# Altium PCB board.PcbDoc (part 1 of 2)
Units mil, origin at the board's own origin, x right, y up, seen from the top; angles counter-clockwise.
Board outline 7874.76 x 4803.15 mil, 2 copper layers (Top Layer, Bottom Layer); 212 components, 159 nets, 580 pads, 46 vias.
Unrouted connection lines stored in the file: 2.
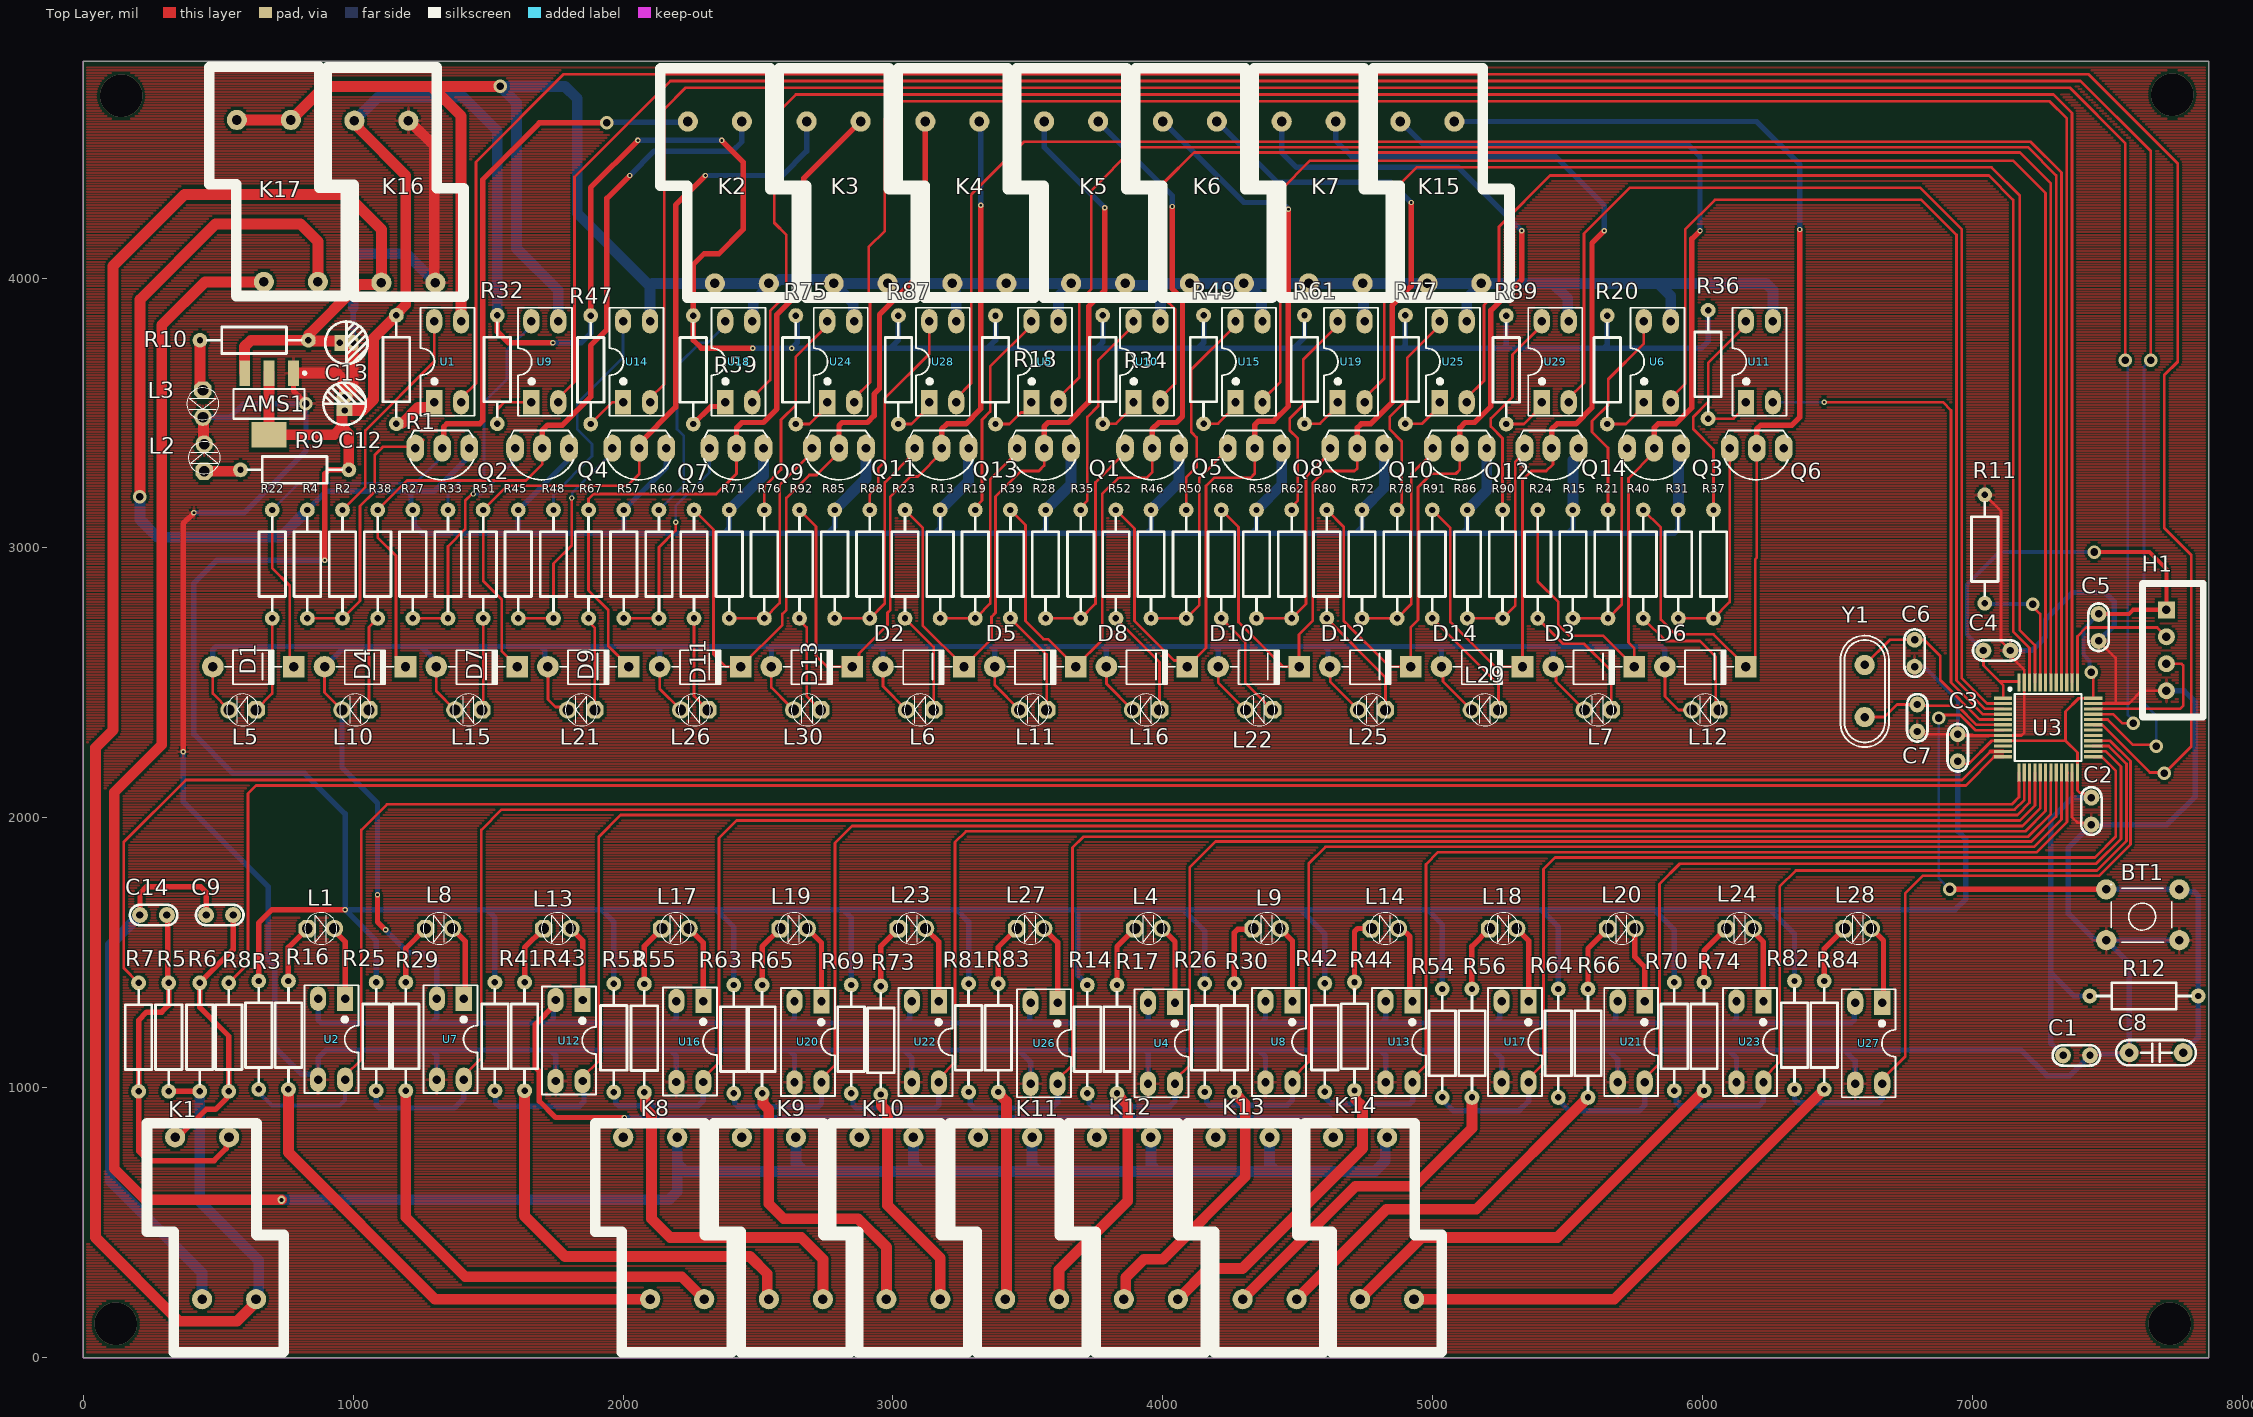
[diagram p0: Top Layer view]
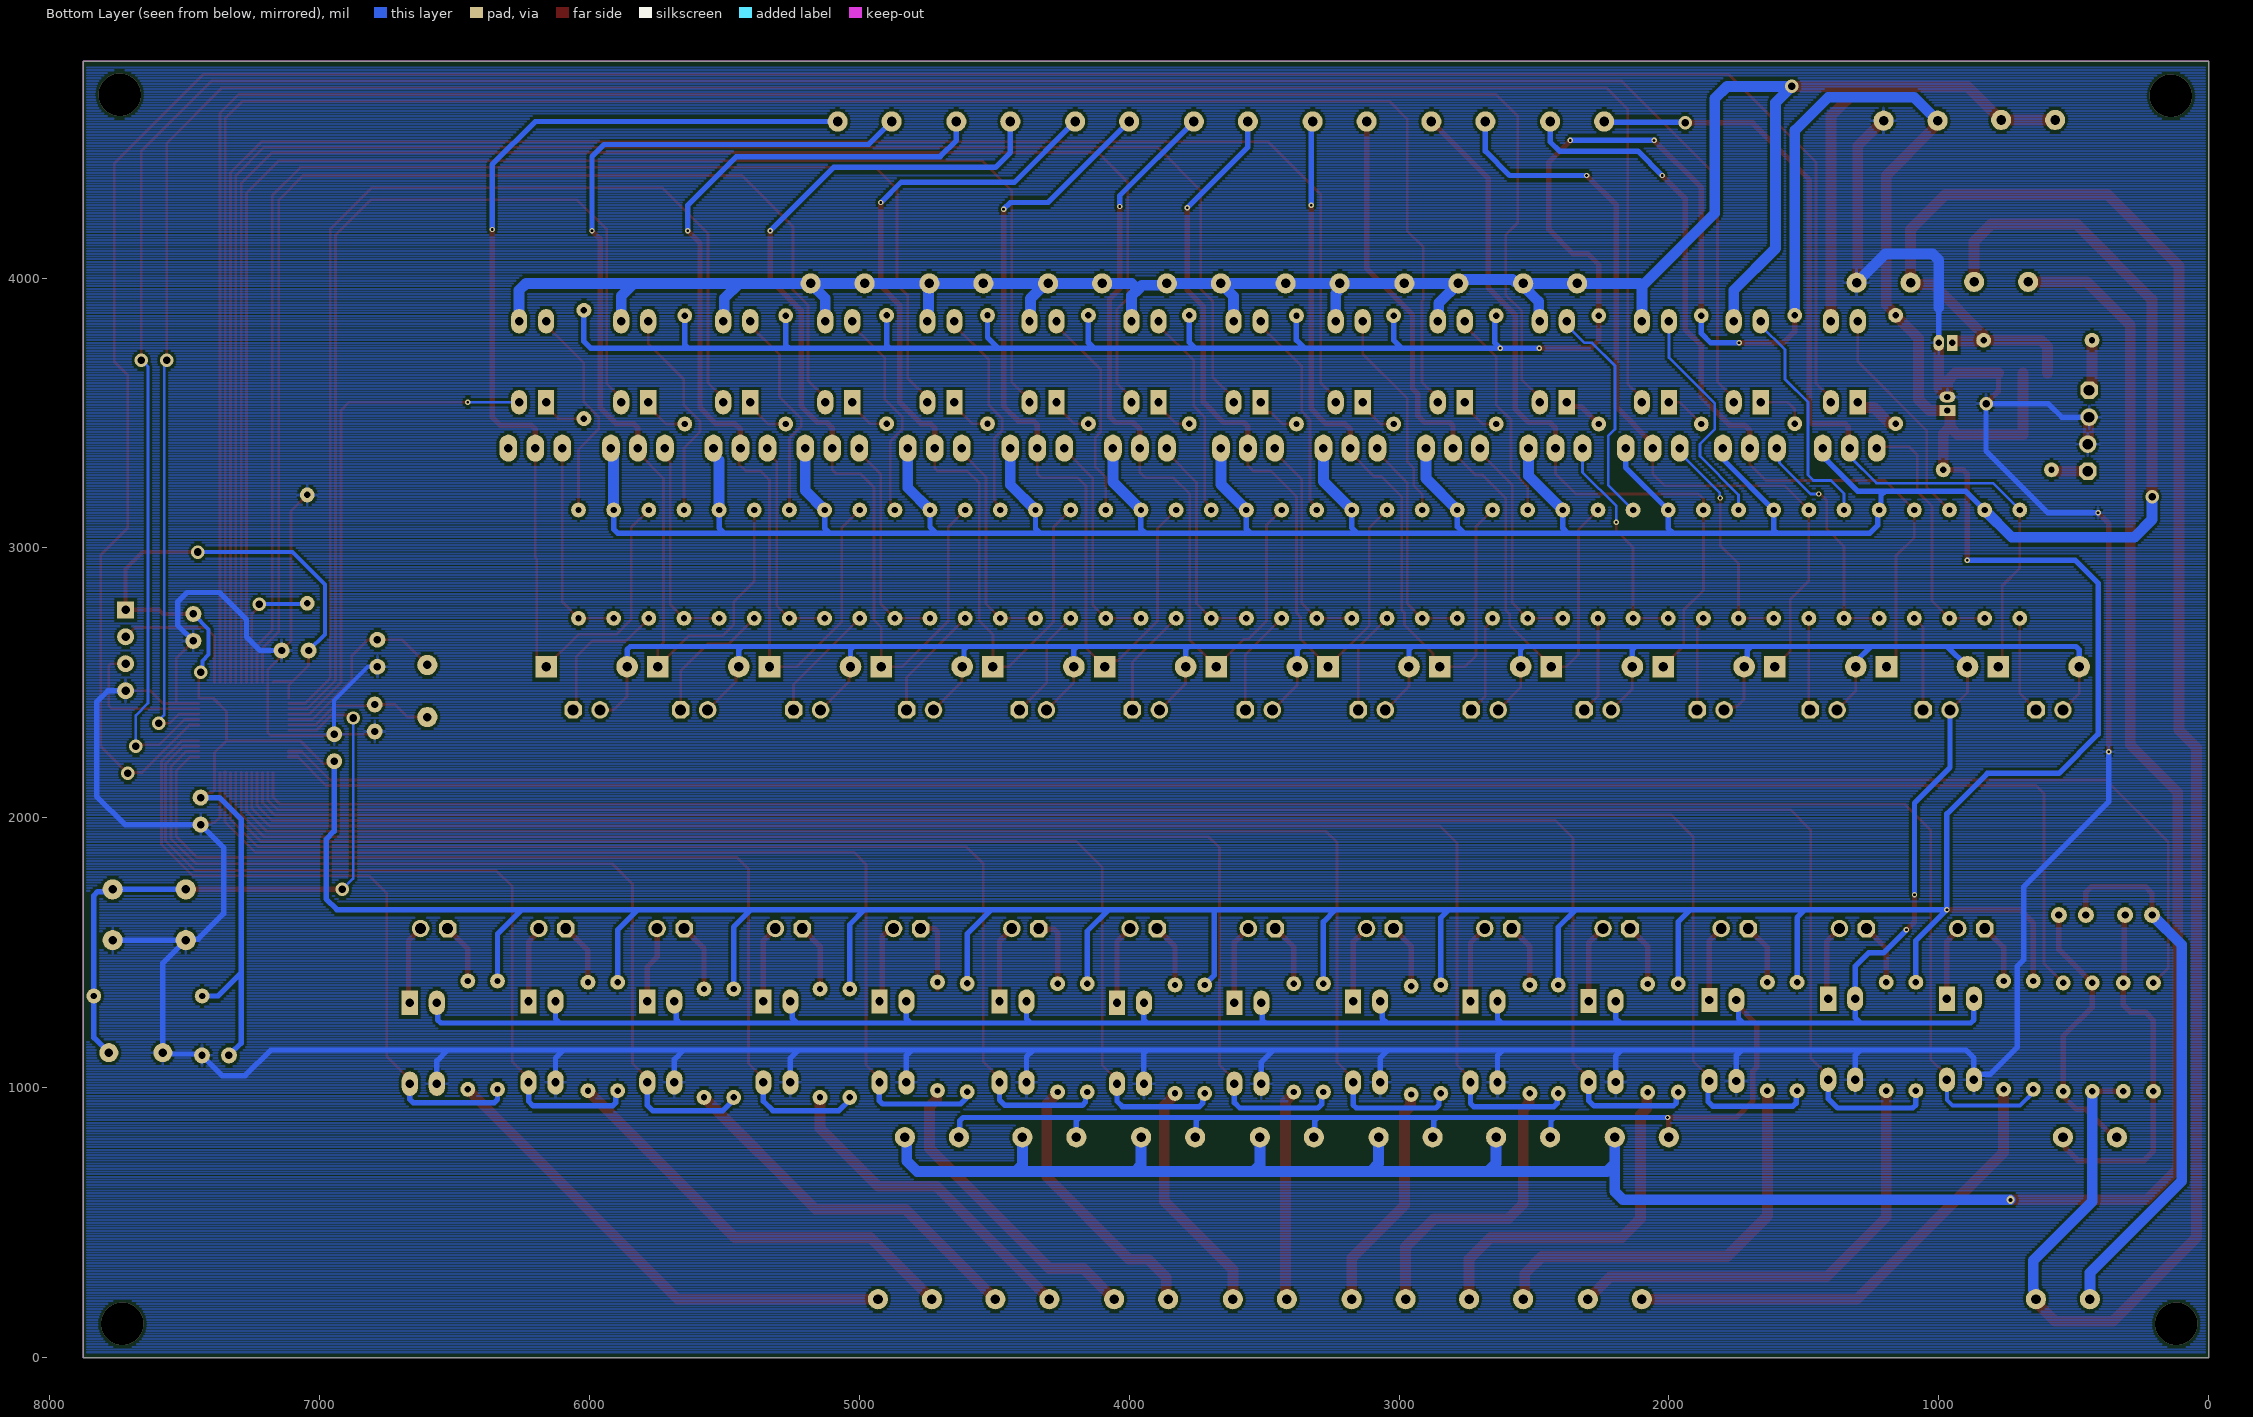
[diagram p1: Bottom Layer view, seen from below]
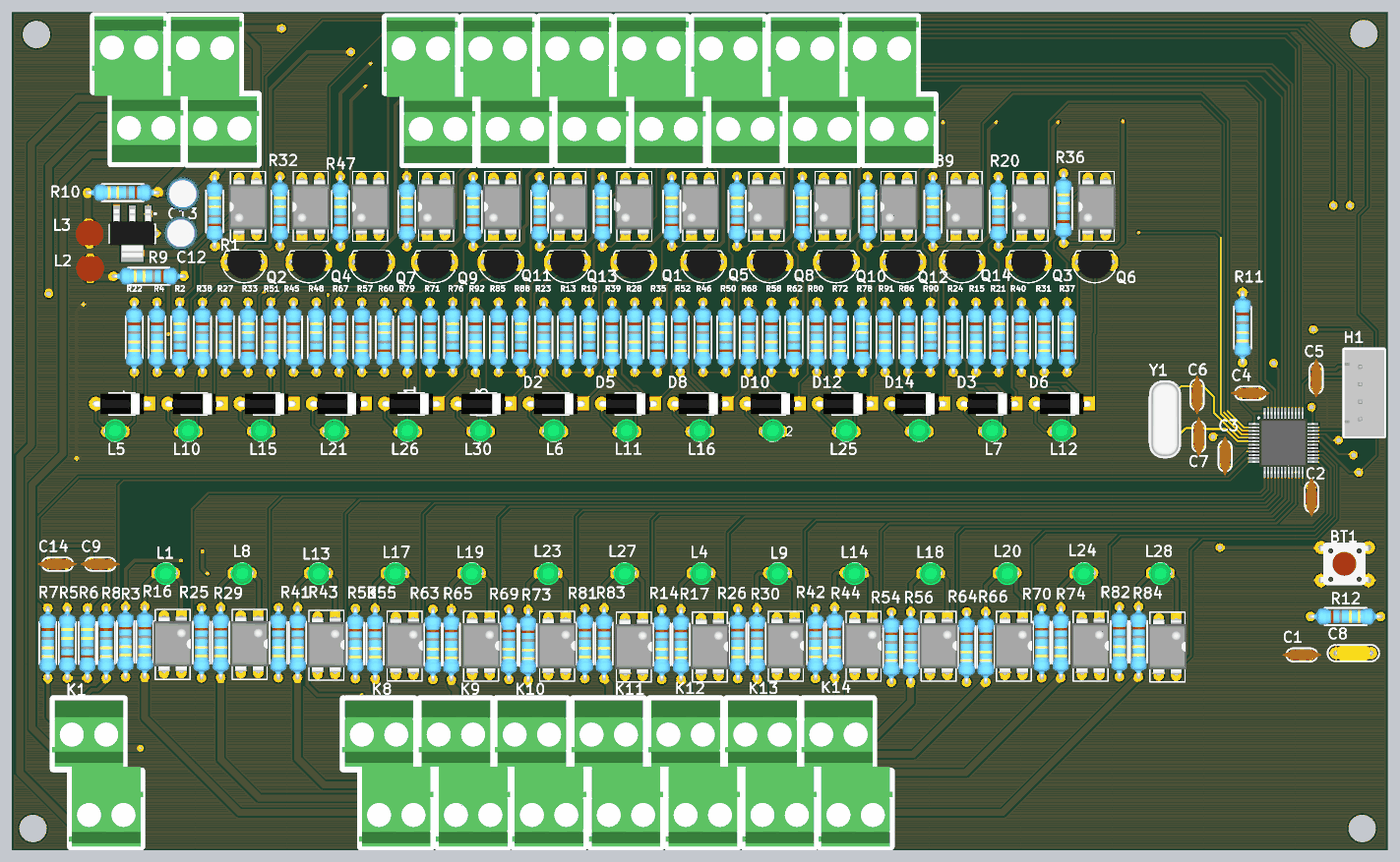
[diagram p3: 3D render of the assembled board from above, using the file's embedded part models]

## Layer stack, top to bottom
Top Solder: solder mask 0.4, Solder Resist, Dk 3.5
Top Layer: signal copper 1.4
Dielectric 1: dielectric 12.6, FR-4, Dk 4.8
Bottom Layer: signal copper 1.4
Bottom Solder: solder mask 0.4, Solder Resist, Dk 3.5

## Board outline
0,0 0,4803.15 7874.76,4803.15 7874.76,0

## Design rules (kind name [scope] priority, off if disabled: settings)
Clearance [All] p1: gap=10 ignorepadtopadclearanceinfootprint=FALSE
PolygonConnect [All] p1: connectstyle=Relief reliefconductorwidth=10 reliefentries=4 polygonreliefangle="90 Angle" airgapwidth=10
RoutingVias [All] p1: holewidth=15 width=30 viastyle="Through Hole" minholewidth=10 minwidth=20 maxholewidth=28 maxwidth=50
SolderMaskExpansion [All] p1: expansion=4 istentingtop=FALSE
Width [All] p1: maxlimit=40 minlimit=10 preferedwidth=20
30 further rules are at their usual default settings.

## Components (designator, comment, footprint, x,y, rotation, side; value= is the part's Value field where it differs from the comment)
AMS1 "AMS1117-3.3V" SOT223 688.14,3533.65 r180 top value="AMS1117-3.3V SOT223"
BT1 "Nut Nhan 4 Chan Cam 6x6" "Nut Nhan 4 Chan Cam 6x6" 7753,1539 r180 top
C1 "104" "tu gom" 7385,1120 r0 top
C2 "104" "tu gom" 7440,2025 r270 top
C3 "104" "tu gom" 6945,2260 r90 top
C4 "104" "tu gom" 7090,2620 r0 top
C5 "104" "tu gom" 7466.77,2705.44 r270 top
C6 "22pF" "tu gom" 6785,2610 r270 top
C7 "22pF" "tu gom" 6795,2370 r270 top
C8 "1uF" "tu tantalum dip5.08" 7680,1130 r180 top
C9 "104" "tu gom" 505,1640 r180 top
C12 "10uF" "tu hoa 4mm" 968.14,3534.48 r90 top
C13 "10uF" "tu hoa 4mm" 975,3760 r0 top
C14 "104" "tu gom" 260,1640 r180 top
D1 "100v" "DIODE 1A" 430,2560 r180 top
D2 "100v" "DIODE 1A" 2913.08,2560 r180 top
D3 "100v" "DIODE 1A" 5396.15,2560 r180 top
D4 "100v" "DIODE 1A" 843.85,2560 r180 top
D5 "100v" "DIODE 1A" 3326.92,2560 r180 top
D6 "100v" "DIODE 1A" 5810,2560 r180 top
D7 "100v" "DIODE 1A" 1257.69,2560 r180 top
D8 "100v" "DIODE 1A" 3740.77,2560 r180 top
D9 "100v" "DIODE 1A" 1671.54,2560 r180 top
D10 "100v" "DIODE 1A" 4154.61,2560 r180 top
D11 "100v" "DIODE 1A" 2085.38,2560 r180 top
D12 "100v" "DIODE 1A" 4568.46,2560 r180 top
D13 "100v" "DIODE 1A" 2499.23,2560 r180 top
D14 "100v" "DIODE 1A" 4982.31,2560 r180 top
H1 "Header 4P 2.54 Duc Thang" XH2.54M-4 7718,2771 r270 top
K1 "Domino" KF128HL_2P 540,816.69 r270 top
K2 "Domino" KF128HL_2P 2340,3980 r90 top
K3 "Domino" KF128HL_2P 2780,3980 r90 top
K4 "Domino" KF128HL_2P 3220,3980 r90 top
K5 "Domino" KF128HL_2P 3660,3980 r90 top
K6 "Domino" KF128HL_2P 4100,3980 r90 top
K7 "Domino" KF128HL_2P 4540,3980 r90 top
K8 "Domino" KF128HL_2P 2200.43,816.69 r270 top
K9 "Domino" KF128HL_2P 2640.43,816.69 r270 top
K10 "Domino" KF128HL_2P 3075.43,816.69 r270 top
K11 "Domino" KF128HL_2P 3515.43,816.69 r270 top
K12 "Domino" KF128HL_2P 3955.43,816.69 r270 top
K13 "Domino" KF128HL_2P 4395.43,816.69 r270 top
K14 "Domino" KF128HL_2P 4830.43,816.69 r270 top
K15 "Domino" KF128HL_2P 4980,3980 r90 top
K16 "Domino" KF128HL_2P 1104.72,3983 r90 top
K17 "Domino" KF128HL_2P 669.15,3985.66 r90 top
L1 "LED 3mm" LED-3MM-GREEN 830,1590 r0 top
L2 "LED 3mm" LED-3MM-RED 448.14,3284.48 r90 top
L3 "LED 3mm" LED-3MM-RED 443.14,3584.48 r270 top
L4 "LED 3mm" LED-3MM-GREEN 3896.54,1590 r0 top
L5 "LED 3mm" LED-3MM-GREEN 640,2400 r180 top
L6 "LED 3mm" LED-3MM-GREEN 3150.77,2400 r180 top
L7 "LED 3mm" LED-3MM-GREEN 5661.54,2400 r180 top
L8 "LED 3mm" LED-3MM-GREEN 1268.08,1590 r0 top
L9 "LED 3mm" LED-3MM-GREEN 4334.62,1590 r0 top
L10 "LED 3mm" LED-3MM-GREEN 1058.46,2400 r180 top
L11 "LED 3mm" LED-3MM-GREEN 3569.23,2400 r180 top
L12 "LED 3mm" LED-3MM-GREEN 6060,2400 r180 top
L13 "LED 3mm" LED-3MM-GREEN 1706.15,1590 r0 top
L14 "LED 3mm" LED-3MM-GREEN 4772.69,1590 r0 top
L15 "LED 3mm" LED-3MM-GREEN 1476.92,2400 r180 top
L16 "LED 3mm" LED-3MM-GREEN 3987.69,2400 r180 top
L17 "LED 3mm" LED-3MM-GREEN 2144.23,1590 r0 top
L18 "LED 3mm" LED-3MM-GREEN 5210.77,1590 r0 top
L19 "LED 3mm" LED-3MM-GREEN 2582.31,1590 r0 top
L20 "LED 3mm" LED-3MM-GREEN 5648.85,1590 r0 top
L21 "LED 3mm" LED-3MM-GREEN 1895.38,2400 r180 top
L22 "LED 3mm" LED-3MM-GREEN 4406.15,2400 r180 top
L23 "LED 3mm" LED-3MM-GREEN 3020.38,1590 r0 top
L24 "LED 3mm" LED-3MM-GREEN 6086.92,1590 r0 top
L25 "LED 3mm" LED-3MM-GREEN 4824.61,2400 r180 top
L26 "LED 3mm" LED-3MM-GREEN 2313.85,2400 r180 top
L27 "LED 3mm" LED-3MM-GREEN 3458.46,1590 r0 top
L28 "LED 3mm" LED-3MM-GREEN 6525,1590 r0 top
L29 "LED 3mm" LED-3MM-GREEN 5243.08,2400 r180 top
L30 "LED 3mm" LED-3MM-GREEN 2732.31,2400 r180 top
Q1 "2SA1020" TO92-123 3560,3370 r180 top value=A1015
Q2 "2SA1020" TO92-123 1330,3370 r180 top value=A1015
Q3 "2SA1020" TO92-123 5820,3370 r180 top value=A1015
Q4 "2SA1020" TO92-123 1700,3370 r180 top value=A1015
Q5 "2SA1020" TO92-123 3960,3370 r180 top value=A1015
Q6 "2SA1020" TO92-123 6200,3370 r180 top value=A1015
Q7 "2SA1020" TO92-123 2060,3370 r180 top value=A1015
Q8 "2SA1020" TO92-123 4340,3370 r180 top value=A1015
Q9 "2SA1020" TO92-123 2420,3370 r180 top value=A1015
Q10 "2SA1020" TO92-123 4720,3370 r180 top value=A1015
Q11 "2SA1020" TO92-123 2800,3370 r180 top value=A1015
Q12 "2SA1020" TO92-123 5100,3370 r180 top value=A1015
Q13 "2SA1020" TO92-123 3180,3370 r180 top value=A1015
Q14 "2SA1020" TO92-123 5440,3370 r180 top value=A1015
R1 "470R" "tro vach 1/4w" 1160,3661.15 r270 top
R2 "10k" "tro vach 1/4w" 960.49,2940 r270 top
R3 "1k" "tro vach 1/4w" 650,1195 r90 top
R4 "100k" "tro vach 1/4w" 830.24,2940 r90 top
R5 "10k" "tro vach 1/4w" 316.43,1187.74 r270 top
R6 "10k" "tro vach 1/4w" 431.43,1187.74 r270 top
R7 "10k" "tro vach 1/4w" 205,1187.74 r90 top
R8 "10k" "tro vach 1/4w" 539,1187.74 r90 top
R9 "1k" "tro vach 1/4w" 783.14,3289.48 r0 top
R10 "1k" "tro vach 1/4w" 633.14,3769.48 r0 top
R11 "10k" "tro vach 1/4w" 7045,2995.79 r90 top
R12 "10k" "tro vach 1/4w" 7635,1340 r180 top
R13 "100k" "tro vach 1/4w" 3174.63,2940 r90 top
R14 "1k" "tro vach 1/4w" 3720,1180 r90 top
R15 "100k" "tro vach 1/4w" 5519.02,2940 r90 top
R16 "1.8k" "tro vach 1/4w" 760,1195 r90 top
R17 "1.8k" "tro vach 1/4w" 3830,1180 r90 top
R18 "470R" "tro vach 1/4w" 3380,3660 r270 top
R19 "10k" "tro vach 1/4w" 3304.88,2940 r270 top
R20 "470R" "tro vach 1/4w" 5646.15,3660 r270 top
R21 "10k" "tro vach 1/4w" 5649.27,2940 r270 top
R22 "2.2k" "tro vach 1/4w" 700,2940 r90 top
R23 "2.2k" "tro vach 1/4w" 3044.39,2940 r90 top
R24 "2.2k" "tro vach 1/4w" 5388.78,2940 r90 top
R25 "1k" "tro vach 1/4w" 1085,1190 r90 top
R26 "1k" "tro vach 1/4w" 4155,1185 r90 top
R27 "100k" "tro vach 1/4w" 1220.98,2940 r90 top
R28 "100k" "tro vach 1/4w" 3565.37,2940 r90 top
R29 "1.8k" "tro vach 1/4w" 1195,1190 r90 top
R30 "1.8k" "tro vach 1/4w" 4265,1185 r90 top
R31 "100k" "tro vach 1/4w" 5909.76,2940 r90 top
R32 "470R" "tro vach 1/4w" 1533.85,3661.15 r270 top
R33 "10k" "tro vach 1/4w" 1351.22,2940 r270 top
R34 "470R" "tro vach 1/4w" 3776.92,3661.15 r270 top
R35 "10k" "tro vach 1/4w" 3695.61,2940 r270 top
R36 "470R" "tro vach 1/4w" 6020,3680 r270 top
R37 "10k" "tro vach 1/4w" 6040,2940 r270 top
R38 "2.2k" "tro vach 1/4w" 1090.73,2940 r90 top
R39 "2.2k" "tro vach 1/4w" 3435.12,2940 r90 top
R40 "2.2k" "tro vach 1/4w" 5779.51,2940 r90 top
R41 "1k" "tro vach 1/4w" 1525,1190 r90 top
R42 "1k" "tro vach 1/4w" 4600,1185.79 r90 top
R43 "1.8k" "tro vach 1/4w" 1635,1190 r90 top
R44 "1.8k" "tro vach 1/4w" 4710,1190.79 r90 top
R45 "100k" "tro vach 1/4w" 1611.71,2940 r90 top
R46 "100k" "tro vach 1/4w" 3956.1,2940 r90 top
R47 "470R" "tro vach 1/4w" 1880,3660 r270 top
R48 "10k" "tro vach 1/4w" 1741.95,2940 r270 top
R49 "470R" "tro vach 1/4w" 4150.77,3661.15 r270 top
R50 "10k" "tro vach 1/4w" 4086.34,2940 r270 top
R51 "2.2k" "tro vach 1/4w" 1481.46,2940 r90 top
R52 "2.2k" "tro vach 1/4w" 3825.85,2940 r90 top
R53 "1k" "tro vach 1/4w" 1965.59,1184.66 r90 top
R54 "1k" "tro vach 1/4w" 5035,1165 r90 top
R55 "1.8k" "tro vach 1/4w" 2078.84,1183.68 r90 top
R56 "1.8k" "tro vach 1/4w" 5145,1165 r90 top
R57 "100k" "tro vach 1/4w" 2002.44,2940 r90 top
R58 "100k" "tro vach 1/4w" 4346.83,2940 r90 top
R59 "470R" "tro vach 1/4w" 2260,3660 r270 top
R60 "10k" "tro vach 1/4w" 2132.68,2940 r270 top
R61 "470R" "tro vach 1/4w" 4524.61,3661.15 r270 top
R62 "10k" "tro vach 1/4w" 4477.07,2940 r270 top
R63 "1k" "tro vach 1/4w" 2410,1180 r90 top
R64 "1k" "tro vach 1/4w" 5465,1165 r90 top
R65 "1.8k" "tro vach 1/4w" 2515,1180 r90 top
R66 "1.8k" "tro vach 1/4w" 5575,1165 r90 top
R67 "2.2k" "tro vach 1/4w" 1872.2,2940 r90 top
R68 "2.2k" "tro vach 1/4w" 4216.59,2940 r90 top
R69 "1k" "tro vach 1/4w" 2845,1180 r90 top
R70 "1k" "tro vach 1/4w" 5895,1190 r90 top
R71 "100k" "tro vach 1/4w" 2393.17,2940 r90 top
R72 "100k" "tro vach 1/4w" 4737.56,2940 r90 top
R73 "1.8k" "tro vach 1/4w" 2955,1175.79 r90 top